# KiCad board keyboard.kicad_pcb
title: Entropy; date: 2020-12-25; rev: 0.2; company: Josh Johnson
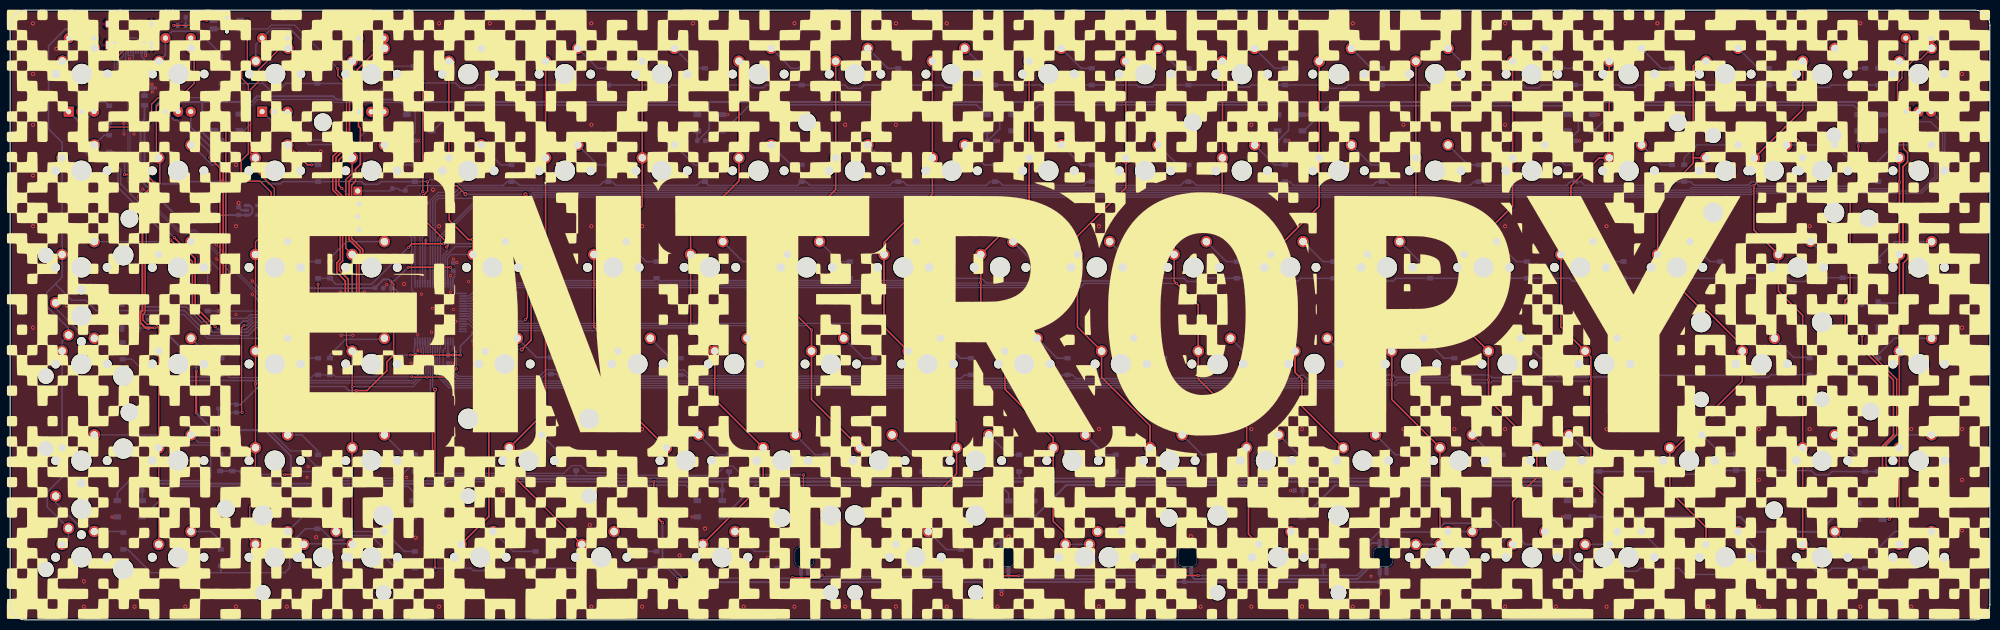
[diagram p0: board, top side]
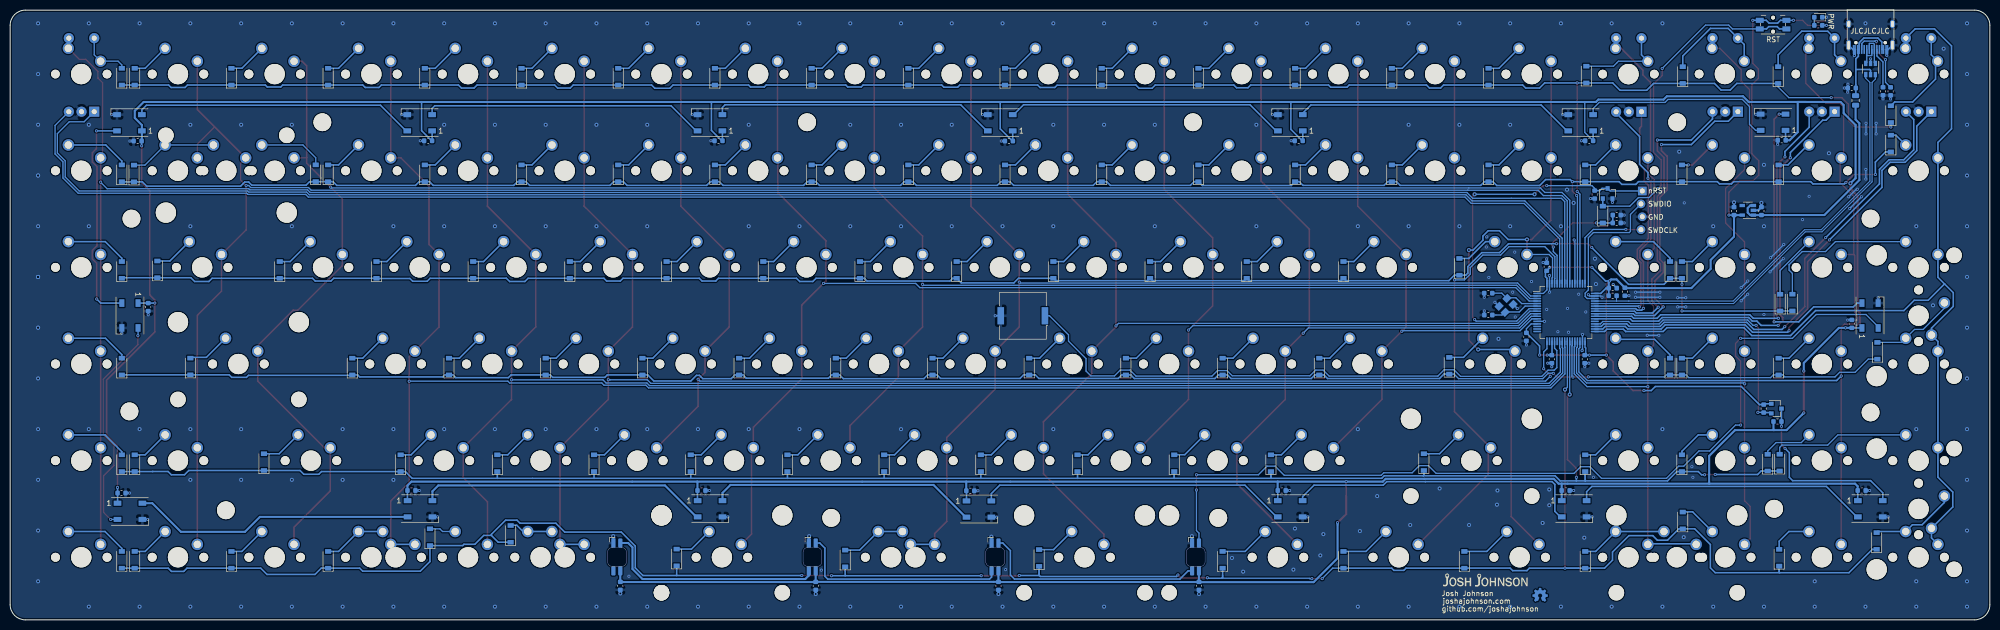
[diagram p1: board, bottom side, seen from below]

Outline 390 x 120.2 mm; copper layers: Top, Bottom. Coordinates in mm from the lower left corner of the outline.
Outline path: 0,117.2 arc(0.88,119.32) 3,120.2 387,120.2 arc(389.12,119.32) 390,117.2 390,3 arc(389.12,0.88) 387,0 3,0 arc(0.88,0.88) 0,3 0,117.2

## Placement (name value [footprint] x y rotation side)
BZ1  Buzzer  [Buzzer_Murata_PKMCS0909E4000-R1]  190.5 59.95 0 bottom
C1  1u  [C_0603_1608Metric]  45 80.59 270 bottom
C2  1u  [C_0603_1608Metric]  50.4 80.59 270 bottom
C3  10u  [C_0603_1608Metric]  73.5 79.8 180 bottom
C4  15P  [C_0603_1608Metric]  98.81 64.4 0 bottom
C5  15P  [C_0603_1608Metric]  98.8 60.1 0 bottom
C6  4u7  [C_0603_1608Metric]  71.9 64.69 270 bottom
C7  100n  [C_0603_1608Metric]  91.3 55.8 90 bottom
C14  100n  [C_0603_1608Metric]  87.3 69.6 270 bottom
C15  100n  [C_0603_1608Metric]  74.29 65.4 0 bottom
C16  100n  [C_0603_1608Metric]  79.8 51.4 90 bottom
C17  100n  [C_0603_1608Metric]  86.3 51.4 90 bottom
C18  100n  [C_0603_1608Metric]  25.25 25.5 0 bottom
C19  100n  [C_0603_1608Metric]  195.3 6.7 90 bottom
C20  100n  [C_0603_1608Metric]  155.8 6.7 90 bottom
C21  100n  [C_0603_1608Metric]  231.3 6.7 90 bottom
C22  100n  [C_0603_1608Metric]  250.45 94.45 180 bottom
C23  100n  [C_0603_1608Metric]  269.8 6.7 90 bottom
C24  100n  [C_0603_1608Metric]  364.89 94.4 180 bottom
C25  100n  [C_0603_1608Metric]  253.81 25.5 0 bottom
C26  4u7  [C_0603_1608Metric]  77.85 83.84 270 bottom
C27  100n  [C_0603_1608Metric]  136.15 94.45 180 bottom
C28  100n  [C_0603_1608Metric]  139.5 25.5 0 bottom
C29  100n  [C_0603_1608Metric]  200.85 25.45 0 bottom
C30  100n  [C_0603_1608Metric]  307.66 94.45 180 bottom
C32  100n  [C_0603_1608Metric]  83.56 25.5 0 bottom
C33  100n  [C_0603_1608Metric]  27.2 58.35 270 bottom
C34  100n  [C_0603_1608Metric]  310.95 25.5 0 bottom
C35  100n  [C_0603_1608Metric]  41 94.55 180 bottom
C36  100n  [C_0603_1608Metric]  368.05 25 0 bottom
C37  100n  [C_0603_1608Metric]  78.94 94.45 180 bottom
C38  100n  [C_0603_1608Metric]  362.8 61.66 90 bottom
C39  100n  [C_0603_1608Metric]  193.25 94.4 180 bottom
C40  10u  [C_0603_1608Metric]  27.19 104.85 180 bottom
D1  WS2812B  [LED_WS2812B_PLCC4_5.0x5.0mm_P3.2mm]  23.55 21.9 180 bottom
D2  WS2812B  [LED_WS2812B_PLCC4_5.0x5.0mm_P3.2mm]  252.13 98 0 bottom
D3  WS2812B  [LED_WS2812B_PLCC4_5.0x5.0mm_P3.2mm]  81.89 21.9 180 bottom
D4  WS2812B  [LED_WS2812B_PLCC4_5.0x5.0mm_P3.2mm]  194.95 98 0 bottom
D5  WS2812B  [LED_WS2812B_PLCC4_5.0x5.0mm_P3.2mm]  137.83 21.9 180 bottom
D6  WS2812B  [LED_WS2812B_PLCC4_5.0x5.0mm_P3.2mm]  137.8 98 0 bottom
D7  WS2812B  [LED_WS2812B_PLCC4_5.0x5.0mm_P3.2mm]  199.15 21.85 180 bottom
D8  WS2812B  [LED_WS2812B_PLCC4_5.0x5.0mm_P3.2mm]  80.6 98 0 bottom
D9  WS2812B  [LED_WS2812B_PLCC4_5.0x5.0mm_P3.2mm]  252.12 21.9 180 bottom
D10  WS2812B  [LED_WS2812B_PLCC4_5.0x5.0mm_P3.2mm]  42.7 98.1 0 bottom
D11  WS2812B  [LED_WS2812B_PLCC4_5.0x5.0mm_P3.2mm]  309.26 21.9 180 bottom
D12  WS2812B  [LED_WS2812B_PLCC4_5.0x5.0mm_P3.2mm]  23.6 60 90 bottom
D13  WS2812B  [LED_WS2812B_PLCC4_5.0x5.0mm_P3.2mm]  366.4 21.4 180 bottom
D14  LED_RED  [LED_0603_1608Metric]  33.8 118.8 0 bottom
D15  WS2812B  [LED_WS2812B_PLCC4_5.0x5.0mm_P3.2mm]  366.4 60 270 bottom
D17  WS2812B  [LED_WS2812B_PLCC4_5.0x5.0mm_P3.2mm]  366.5 98 0 bottom
D20  WS2812B  [LED_WS2812B_PLCC4_5.0x5.0mm_P3.2mm]  309.32 98 0 bottom
D21  SK6812-MINI-E  [SK8612-MINI-E]  156.5 12.35 90 top
D22  SK6812-MINI-E  [SK8612-MINI-E]  196 12.35 90 top
D23  SK6812-MINI-E  [SK8612-MINI-E]  232 12.35 90 top
D24  1N4148  [D_SOD-123]  76.25 79.9 90 bottom
D25  SK6812-MINI-E  [SK8612-MINI-E]  270.5 12.35 90 top
D_0  1N4148  [D_SOD-123]  19.5 99.7 90 bottom
D_1  1N4148  [D_SOD-123]  41.7 107.4 90 bottom
D_2  1N4148  [D_SOD-123]  60.5 107.4 90 bottom
D_3  1N4148  [D_SOD-123]  79.5 107.5 90 bottom
D_4  1N4148  [D_SOD-123]  98.76 107.09 90 bottom
D_5  1N4148  [D_SOD-123]  117.81 107.09 90 bottom
D_6  1N4148  [D_SOD-123]  136.86 107.09 90 bottom
D_7  1N4148  [D_SOD-123]  155.91 107.09 90 bottom
D_8  1N4148  [D_SOD-123]  174.96 107.09 90 bottom
D_9  1N4148  [D_SOD-123]  194.01 107.09 90 bottom
D_10  1N4148  [D_SOD-123]  213.06 107.09 90 bottom
D_11  1N4148  [D_SOD-123]  232.11 107.09 90 bottom
D_12  1N4148  [D_SOD-123]  251.16 107.09 90 bottom
D_13  1N4148  [D_SOD-123]  270.21 107.09 90 bottom
D_14  1N4148  [D_SOD-123]  289.26 107.09 90 bottom
D_15  1N4148  [D_SOD-123]  308.31 107.09 90 bottom
D_16  1N4148  [D_SOD-123]  327.36 107.09 90 bottom
D_17  1N4148  [D_SOD-123]  346.41 107.09 90 bottom
D_18  1N4148  [D_SOD-123]  365.46 107.09 90 bottom
D_19  1N4148  [D_SOD-123]  368 107.09 90 bottom
D_20  1N4148  [D_SOD-123]  19.5 93.9 90 bottom
D_21  1N4148  [D_SOD-123]  41.61 88.04 90 bottom
D_22  1N4148  [D_SOD-123]  60.66 88.04 90 bottom
D_23  1N4148  [D_SOD-123]  79.71 88.04 90 bottom
D_24  1N4148  [D_SOD-123]  98.76 88.04 90 bottom
D_25  1N4148  [D_SOD-123]  117.81 88.04 90 bottom
D_26  1N4148  [D_SOD-123]  136.86 88.04 90 bottom
D_27  1N4148  [D_SOD-123]  155.91 88.04 90 bottom
D_28  1N4148  [D_SOD-123]  174.96 88.04 90 bottom
D_29  1N4148  [D_SOD-123]  194.01 88.04 90 bottom
D_30  1N4148  [D_SOD-123]  213.06 88.04 90 bottom
D_31  1N4148  [D_SOD-123]  232.11 88.04 90 bottom
D_32  1N4148  [D_SOD-123]  251.16 88.04 90 bottom
D_33  1N4148  [D_SOD-123]  270.21 88.04 90 bottom
D_34  1N4148  [D_SOD-123]  289.26 88.04 90 bottom
D_35  1N4148  [D_SOD-123]  308.31 88.04 90 bottom
D_36  1N4148  [D_SOD-123]  327.36 88.04 90 bottom
D_37  1N4148  [D_SOD-123]  365.6 88 90 bottom
D_38  1N4148  [D_SOD-123]  368 88.04 90 bottom
D_39  1N4148  [D_SOD-123]  38.9 62.55 90 bottom
D_40  1N4148  [D_SOD-123]  22.15 53.05 90 bottom
D_41  1N4148  [D_SOD-123]  41.31 62.54 90 bottom
D_42  1N4148  [D_SOD-123]  60.66 68.99 90 bottom
D_43  1N4148  [D_SOD-123]  63 68.99 90 bottom
D_44  1N4148  [D_SOD-123]  104.5 69.6 90 bottom
D_45  1N4148  [D_SOD-123]  127.34 68.99 90 bottom
D_46  1N4148  [D_SOD-123]  146.39 68.99 90 bottom
D_47  1N4148  [D_SOD-123]  165.44 68.99 90 bottom
D_48  1N4148  [D_SOD-123]  184.49 68.99 90 bottom
D_49  1N4148  [D_SOD-123]  203.54 68.99 90 bottom
D_50  1N4148  [D_SOD-123]  222.59 68.99 90 bottom
D_51  1N4148  [D_SOD-123]  241.64 68.99 90 bottom
D_52  1N4148  [D_SOD-123]  260.69 68.99 90 bottom
D_53  1N4148  [D_SOD-123]  279.74 68.99 90 bottom
D_54  1N4148  [D_SOD-123]  298.79 68.99 90 bottom
D_55  1N4148  [D_SOD-123]  317.84 68.99 90 bottom
D_56  1N4148  [D_SOD-123]  336.89 68.99 90 bottom
D_57  1N4148  [D_SOD-123]  361 69.1 90 bottom
D_58  1N4148  [D_SOD-123]  368 68.99 90 bottom
D_59  1N4148  [D_SOD-123]  329.8 88.05 90 bottom
D_60  1N4148  [D_SOD-123]  41.61 49.94 90 bottom
D_61  1N4148  [D_SOD-123]  60.66 49.94 90 bottom
D_62  1N4148  [D_SOD-123]  63 49.94 90 bottom
D_63  1N4148  [D_SOD-123]  106.5 50.1 90 bottom
D_64  1N4148  [D_SOD-123]  132.1 49.94 90 bottom
D_65  1N4148  [D_SOD-123]  151.15 49.94 90 bottom
D_66  1N4148  [D_SOD-123]  170.2 49.94 90 bottom
D_67  1N4148  [D_SOD-123]  189.25 49.94 90 bottom
D_68  1N4148  [D_SOD-123]  208.3 49.94 90 bottom
D_69  1N4148  [D_SOD-123]  227.35 49.94 90 bottom
D_70  1N4148  [D_SOD-123]  246.4 49.94 90 bottom
D_71  1N4148  [D_SOD-123]  265.45 49.94 90 bottom
D_72  1N4148  [D_SOD-123]  284.5 49.94 90 bottom
D_73  1N4148  [D_SOD-123]  303.55 49.94 90 bottom
D_74  1N4148  [D_SOD-123]  322.6 49.94 90 bottom
D_75  1N4148  [D_SOD-123]  354.5 49.95 90 bottom
D_76  1N4148  [D_SOD-123]  368 49.94 90 bottom
D_77  1N4148  [D_SOD-123]  41.4 31 90 bottom
D_78  1N4148  [D_SOD-123]  22.3 15.55 90 bottom
D_79  1N4148  [D_SOD-123]  43.76 30.99 90 bottom
D_80  1N4148  [D_SOD-123]  60.66 30.89 90 bottom
D_81  1N4148  [D_SOD-123]  79.71 30.89 90 bottom
D_82  1N4148  [D_SOD-123]  111.5 31.1 90 bottom
D_83  1N4148  [D_SOD-123]  141.62 30.89 90 bottom
D_84  1N4148  [D_SOD-123]  160.68 30.89 90 bottom
D_85  1N4148  [D_SOD-123]  179.73 30.89 90 bottom
D_86  1N4148  [D_SOD-123]  198.77 30.89 90 bottom
D_87  1N4148  [D_SOD-123]  217.82 30.89 90 bottom
D_88  1N4148  [D_SOD-123]  236.88 30.89 90 bottom
D_89  1N4148  [D_SOD-123]  255.93 30.89 90 bottom
D_90  1N4148  [D_SOD-123]  274.98 30.89 90 bottom
D_91  1N4148  [D_SOD-123]  294.02 30.89 90 bottom
D_92  1N4148  [D_SOD-123]  313.07 30.89 90 bottom
D_93  1N4148  [D_SOD-123]  340 31.1 90 bottom
D_94  1N4148  [D_SOD-123]  365.46 30.89 90 bottom
D_95  1N4148  [D_SOD-123]  368 30.89 90 bottom
D_97  1N4148  [D_SOD-123]  41.5 12.25 90 bottom
D_98  1N4148  [D_SOD-123]  79.71 11.84 90 bottom
D_99  1N4148  [D_SOD-123]  103.53 11.84 90 bottom
D_100  1N4148  [D_SOD-123]  127.34 11.84 90 bottom
D_101  1N4148  [D_SOD-123]  151.15 11.84 90 bottom
D_102  1N4148  [D_SOD-123]  225.5 12.1 90 bottom
D_103  1N4148  [D_SOD-123]  291.4 16.95 90 bottom
D_104  1N4148  [D_SOD-123]  327.36 11.84 90 bottom
D_105  1N4148  [D_SOD-123]  346.41 11.84 90 bottom
D_106  1N4148  [D_SOD-123]  365.46 11.84 90 bottom
D_107  1N4148  [D_SOD-123]  368 11.84 90 bottom
D_108  1N4148  [D_SOD-123]  60.5 19.6 90 bottom
D_110  1N4148  [D_SOD-123]  187.3 12.2 90 bottom
D_112  1N4148  [D_SOD-123]  258.7 12.3 90 bottom
D_114  1N4148  [D_SOD-123]  307.3 16.3 90 bottom
F1  500mA  [Fuse_0805_2012Metric]  26.45 102.4 90 bottom
H1  3.5mm ID  [MountingHole_3.5mm]  23.5 40.9 90 top
H2  3.5mm ID  [MountingHole_3.5mm]  23.5 79.1 90 top
H3  3.5mm ID  [MountingHole_3.5mm]  366.5 41.1 90 top
H4  3.5mm ID  [MountingHole_3.5mm]  366.1 79.1 90 top
H5  3.5mm ID  [MountingHole_3.5mm]  228.25 20.1 0 top
H6  3.5mm ID  [MountingHole_3.5mm]  157 98.1 0 top
H7  3.5mm ID  [MountingHole_3.5mm]  152 20.1 0 top
H8  3.5mm ID  [MountingHole_3.5mm]  347.5 21.6 0 top
H9  3.5mm ID  [MountingHole_3.5mm]  61.6 98.1 0 top
H10  3.5mm ID  [MountingHole_3.5mm]  42.5 21.9 0 top
H11  3.5mm ID  [MountingHole_3.5mm]  328.5 98.1 0 top
H12  3.5mm ID  [MountingHole_3.5mm]  233 98.1 0 top
J1  USB_C_Receptacle_USB2.0  [USB_C_U262-161N-4BVC11]  23.5 115.6 0 bottom
J2  SWD  [STM_4_PIN_THT_Staggered]  68.6 84.55 180 bottom
K_0  Encoder_MX  [MX_KEYSWITCH_ENCODER]  14.04 107.59 0 top
K_1  Encoder_MX  [MX_KEYSWITCH_ENCODER]  33.09 107.59 0 top
K_2  Encoder_MX  [MX_KEYSWITCH_ENCODER]  52.14 107.59 0 top
K_3  Encoder_MX  [MX_KEYSWITCH_ENCODER]  71.13 107.57 0 top
K_4  KEYSW  [MXOnly-1U-NoLED]  90.24 107.59 0 top
K_5  KEYSW  [MXOnly-1U-NoLED]  109.29 107.59 0 top
K_6  KEYSW  [MXOnly-1U-NoLED]  128.34 107.59 0 top
K_7  KEYSW  [MXOnly-1U-NoLED]  147.39 107.59 0 top
K_8  KEYSW  [MXOnly-1U-NoLED]  166.44 107.59 0 top
K_9  KEYSW  [MXOnly-1U-NoLED]  185.49 107.59 0 top
K_10  KEYSW  [MXOnly-1U-NoLED]  204.54 107.59 0 top
K_11  KEYSW  [MXOnly-1U-NoLED]  223.59 107.59 0 top
K_12  KEYSW  [MXOnly-1U-NoLED]  242.64 107.59 0 top
K_13  KEYSW  [MXOnly-1U-NoLED]  261.69 107.59 0 top
K_14  KEYSW  [MXOnly-1U-NoLED]  280.74 107.59 0 top
K_15  KEYSW  [MXOnly-1U-NoLED]  299.79 107.59 0 top
K_16  KEYSW  [MXOnly-1U-NoLED]  318.84 107.59 0 top
K_17  KEYSW  [MXOnly-1U-NoLED]  337.89 107.59 0 top
K_18  KEYSW  [MXOnly-1U-NoLED]  356.94 107.59 0 top
K_19  Encoder_MX  [MX_KEYSWITCH_ENCODER]  375.94 107.58 0 top
K_20  KEYSW  [MXOnly-1U-NoLED]  14.04 88.54 0 top
K_21  KEYSW  [MXOnly-1U-NoLED]  33.09 88.54 0 top
K_22  KEYSW  [MXOnly-1U-NoLED]  52.14 88.54 0 top
K_23  KEYSW  [MXOnly-1U-NoLED]  71.19 88.54 0 top
K_24  KEYSW  [MXOnly-1U-NoLED]  90.24 88.54 0 top
K_25  KEYSW  [MXOnly-1U-NoLED]  109.29 88.54 0 top
K_26  KEYSW  [MXOnly-1U-NoLED]  128.34 88.54 0 top
K_27  KEYSW  [MXOnly-1U-NoLED]  147.39 88.54 0 top
K_28  KEYSW  [MXOnly-1U-NoLED]  166.44 88.54 0 top
K_29  KEYSW  [MXOnly-1U-NoLED]  185.49 88.54 0 top
K_30  KEYSW  [MXOnly-1U-NoLED]  204.54 88.54 0 top
K_31  KEYSW  [MXOnly-1U-NoLED]  223.59 88.54 0 top
K_32  KEYSW  [MXOnly-1U-NoLED]  242.64 88.54 0 top
K_33  KEYSW  [MXOnly-1U-NoLED]  261.69 88.54 0 top
K_34  KEYSW  [MXOnly-1U-NoLED]  280.74 88.54 0 top
K_35  KEYSW  [MXOnly-1U-NoLED]  299.79 88.54 0 top
K_36  KEYSW  [MXOnly-1U-NoLED]  318.84 88.54 0 top
K_37  KEYSW  [MXOnly-2U-NoLED]  347.41 88.54 0 top
K_38  KEYSW  [MXOnly-1U-NoLED]  375.99 88.54 0 top
K_39  KEYSW  [MXOnly-1U-NoLED]  14.04 69.49 0 top
K_40  KEYSW  [MXOnly-2U-NoLED]  14.04 59.96 90 top
K_41  KEYSW  [MXOnly-1U-NoLED]  33.09 69.49 0 top
K_42  KEYSW  [MXOnly-1U-NoLED]  52.14 69.49 0 top
K_43  KEYSW  [MXOnly-1U-NoLED]  71.19 69.49 0 top
K_44  KEYSW  [MXOnly-1.5U-NoLED]  95 69.49 0 top
K_45  KEYSW  [MXOnly-1U-NoLED]  118.81 69.49 0 top
K_46  KEYSW  [MXOnly-1U-NoLED]  137.86 69.49 0 top
K_47  KEYSW  [MXOnly-1U-NoLED]  156.91 69.49 0 top
K_48  KEYSW  [MXOnly-1U-NoLED]  175.96 69.49 0 top
K_49  KEYSW  [MXOnly-1U-NoLED]  195.01 69.49 0 top
K_50  KEYSW  [MXOnly-1U-NoLED]  214.06 69.49 0 top
K_51  KEYSW  [MXOnly-1U-NoLED]  233.11 69.49 0 top
K_52  KEYSW  [MXOnly-1U-NoLED]  252.16 69.49 0 top
K_53  KEYSW  [MXOnly-1U-NoLED]  271.21 69.49 0 top
K_54  KEYSW  [MXOnly-1U-NoLED]  290.26 69.49 0 top
K_55  KEYSW  [MXOnly-1U-NoLED]  309.31 69.49 0 top
K_56  KEYSW  [MXOnly-1U-NoLED]  328.36 69.49 0 top
K_57  KEYSW  [MXOnly-1.5U-NoLED]  352.18 69.49 0 top
K_58  KEYSW  [MXOnly-1U-NoLED]  375.99 69.49 0 top
K_59  KEYSW  [MXOnly-1U-NoLED]  14.04 50.44 0 top
K_60  KEYSW  [MXOnly-1U-NoLED]  33.09 50.44 0 top
K_61  KEYSW  [MXOnly-1U-NoLED]  52.14 50.44 0 top
K_62  KEYSW  [MXOnly-1U-NoLED]  71.19 50.44 0 top
K_63  KEYSW  [MXOnly-1.75U-NoLED]  97.38 50.44 0 top
K_64  KEYSW  [MXOnly-1U-NoLED]  123.57 50.44 0 top
K_65  KEYSW  [MXOnly-1U-NoLED]  142.62 50.44 0 top
K_66  KEYSW  [MXOnly-1U-NoLED]  161.68 50.44 0 top
K_67  KEYSW  [MXOnly-1U-NoLED]  180.73 50.44 0 top
K_68  KEYSW  [MXOnly-1U-NoLED]  199.77 50.44 0 top
K_69  KEYSW  [MXOnly-1U-NoLED]  218.82 50.44 0 top
K_70  KEYSW  [MXOnly-1U-NoLED]  237.88 50.44 0 top
K_71  KEYSW  [MXOnly-1U-NoLED]  256.93 50.44 0 top
K_72  KEYSW  [MXOnly-1U-NoLED]  275.98 50.44 0 top
K_73  KEYSW  [MXOnly-1U-NoLED]  295.02 50.44 0 top
K_74  KEYSW  [MXOnly-1U-NoLED]  314.07 50.44 0 top
K_75  KEYSW  [MXOnly-2.25U-ReversedStabilizers-NoLED]  345.03 50.44 0 top
K_76  KEYSW  [MXOnly-1U-NoLED]  375.99 50.44 0 top
K_77  KEYSW  [MXOnly-1U-NoLED]  14.04 31.39 0 top
K_78  KEYSW  [MXOnly-2U-NoLED]  14.04 21.86 90 top
K_79  KEYSW  [MXOnly-1U-NoLED]  33.09 31.39 0 top
K_80  KEYSW  [MXOnly-1U-NoLED]  52.14 31.39 0 top
K_81  KEYSW  [MXOnly-1U-NoLED]  71.19 31.39 0 top
K_82  KEYSW  [MXOnly-2.25U-ReversedStabilizers-NoLED]  102.14 31.39 0 top
K_83  KEYSW  [MXOnly-1U-NoLED]  133.1 31.39 0 top
K_84  KEYSW  [MXOnly-1U-NoLED]  152.15 31.39 0 top
K_85  KEYSW  [MXOnly-1U-NoLED]  171.2 31.39 0 top
K_86  KEYSW  [MXOnly-1U-NoLED]  190.25 31.39 0 top
K_87  KEYSW  [MXOnly-1U-NoLED]  209.3 31.39 0 top
K_88  KEYSW  [MXOnly-1U-NoLED]  228.35 31.39 0 top
K_89  KEYSW  [MXOnly-1U-NoLED]  247.4 31.39 0 top
K_90  KEYSW  [MXOnly-1U-NoLED]  266.45 31.39 0 top
K_91  KEYSW  [MXOnly-1U-NoLED]  285.5 31.39 0 top
K_92  KEYSW  [MXOnly-1U-NoLED]  304.55 31.39 0 top
K_93  KEYSW  [MXOnly-1.75U-NoLED]  330.74 31.39 0 top
K_94  KEYSW  [MXOnly-1U-NoLED]  356.94 31.39 0 top
K_95  KEYSW  [MXOnly-1U-NoLED]  375.99 31.39 0 top
K_96  KEYSW  [MXOnly-1U-NoLED]  14.04 12.34 0 top
K_97  KEYSW  [MXOnly-1U-NoLED]  33.09 12.34 0 top
K_98  KEYSW  [MXOnly-2U-ReversedStabilizers-NoLED]  61.66 12.34 0 top
K_99  KEYSW  [MXOnly-1.25U-NoLED]  92.62 12.34 0 top
K_100  KEYSW  [MXOnly-1.25U-NoLED]  116.43 12.34 0 top
K_101  KEYSW  [MXOnly-1.25U-NoLED]  140.24 12.34 0 top
K_102  KEYSW  [MXOnly-6.25U-ReversedStabilizers-NoLED]  211.68 12.34 0 top
K_103  KEYSW  [MXOnly-1.5U-NoLED]  285.5 12.34 0 top
K_104  KEYSW  [MXOnly-1.5U-NoLED]  314.07 12.34 0 top
K_105  KEYSW  [MXOnly-1U-NoLED]  337.89 12.34 0 top
K_106  KEYSW  [MXOnly-1U-NoLED]  356.94 12.34 0 top
K_107  KEYSW  [MXOnly-1U-NoLED]  375.99 12.34 0 top
K_108  KEYSW  [MXOnly-1U-NoLED]  52.14 12.34 0 top
K_109  KEYSW  [MXOnly-1U-NoLED]  71.19 12.34 0 top
K_110  KEYSW  [MXOnly-2.75U-ReversedStabilizers-NoLED]  178.34 12.34 0 top
K_111  KEYSW  [MXOnly-1.25U-NoLED]  216.44 12.34 0 top
K_112  KEYSW  [MXOnly-2.25U-ReversedStabilizers-NoLED]  249.78 12.34 0 top
K_113  KEYSW  [MXOnly-1U-NoLED]  280.74 12.34 0 top
K_114  KEYSW  [MXOnly-1U-NoLED]  299.79 12.34 0 top
K_115  KEYSW  [MXOnly-1U-NoLED]  318.84 12.34 0 top
K_117  KEYSW  [MXOnly-1U-NoLED]  337.89 88.54 0 top
K_118  KEYSW  [MXOnly-1U-NoLED]  356.94 88.54 0 top
LOGO1  Josh-Logo  [josh-johnson-logo-17x3]  99.37 7.89 180 bottom
LOGO2  Josh-Details  [josh-details]  103.1 4.2 180 bottom
LOGO3  OSHW Logo  [OSHW_Logo_3.6x3.6_F.Mask]  88.6 4.9 180 bottom
LOGO4  BSILK  [back_silk_v0]  194.7 60.3 0 top
Q1  BSS138  [SOT-23]  42.05 41.65 180 bottom
Q3  DTC123J  [SOT-23]  75.3 84.05 90 bottom
R1  10K  [R_0603_1608Metric]  44.55 41.65 270 bottom
R2  10K  [R_0603_1608Metric]  41.84 39.1 180 bottom
R5  5K1  [R_0603_1608Metric]  21.05 104.21 90 bottom
R6  5K1  [R_0603_1608Metric]  19.55 104.2 270 bottom
R8  100K  [R_0603_1608Metric]  73.5 78.25 180 bottom
R9  1K5  [R_0603_1608Metric]  74.31 63.9 180 bottom
R11  5K1  [R_0603_1608Metric]  33.8 117.2 0 bottom
SW1  EVQPUL02K  [Panasonic_EVQPUL_EVQPUC]  42.7 117.35 180 bottom
U1  USBLC6-2SC6  [SOT-23-6]  23.5 108.6 270 bottom
U2  AP2112K-3.3  [SOT-23-5]  47.68 80.74 0 bottom
U3  STM32F303RCTx  [LQFP-64_10x10mm_P0.5mm]  83.5 60.6 180 bottom
Y1  8MHz  [Crystal_SMD_3225-4Pin_3.2x2.5mm]  95.3 62 135 bottom

## Footprints (pads in the part's own frame, mm; a bottom-side part is the same pattern mirrored in y, then rotated)
Buzzer_Murata_PKMCS0909E4000-R1
  rect 1.3x3.4 smd: 1(-4.35,0) 2(4.35,0)
C_0603_1608Metric
  rrect 0.875x0.95 smd: 1(-0.787,0) 2(0.787,0)
Crystal_SMD_3225-4Pin_3.2x2.5mm
  rect 1.4x1.2 smd: 1(-1.1,-0.85) 2(1.1,-0.85) 3(1.1,0.85) 4(-1.1,0.85)
D_SOD-123
  rect 0.9x1.2 smd: 1(-1.65,0) 2(1.65,0)
Fuse_0805_2012Metric
  rrect 0.975x1.4 smd: 1(-0.938,0) 2(0.938,0)
LED_0603_1608Metric
  rrect 0.875x0.95 smd: 1(-0.787,0) 2(0.787,0)
LED_WS2812B_PLCC4_5.0x5.0mm_P3.2mm
  rect 1.5x1 smd: 1(-2.45,1.6) 2(-2.45,-1.6) 3(2.45,-1.6) 4(2.45,1.6)
LQFP-64_10x10mm_P0.5mm
  rrect 1.55x0.3 smd: 1(-5.675,3.75) 2(-5.675,3.25) 3(-5.675,2.75) 4(-5.675,2.25) 5(-5.675,1.75) 6(-5.675,1.25) 7(-5.675,0.75) 8(-5.675,0.25) 9(-5.675,-0.25) 10(-5.675,-0.75) 11(-5.675,-1.25) 12(-5.675,-1.75) 13(-5.675,-2.25) 14(-5.675,-2.75) 15(-5.675,-3.25) 16(-5.675,-3.75) 33(5.675,-3.75) 34(5.675,-3.25) 35(5.675,-2.75) 36(5.675,-2.25) 37(5.675,-1.75) 38(5.675,-1.25) 39(5.675,-0.75) 40(5.675,-0.25) 41(5.675,0.25) 42(5.675,0.75) 43(5.675,1.25) 44(5.675,1.75) 45(5.675,2.25) 46(5.675,2.75) 47(5.675,3.25) 48(5.675,3.75)
  rrect 0.3x1.55 smd: 17(-3.75,-5.675) 18(-3.25,-5.675) 19(-2.75,-5.675) 20(-2.25,-5.675) 21(-1.75,-5.675) 22(-1.25,-5.675) 23(-0.75,-5.675) 24(-0.25,-5.675) 25(0.25,-5.675) 26(0.75,-5.675) 27(1.25,-5.675) 28(1.75,-5.675) 29(2.25,-5.675) 30(2.75,-5.675) 31(3.25,-5.675) 32(3.75,-5.675) 49(3.75,5.675) 50(3.25,5.675) 51(2.75,5.675) 52(2.25,5.675) 53(1.75,5.675) 54(1.25,5.675) 55(0.75,5.675) 56(0.25,5.675) 57(-0.25,5.675) 58(-0.75,5.675) 59(-1.25,5.675) 60(-1.75,5.675) 61(-2.25,5.675) 62(-2.75,5.675) 63(-3.25,5.675) 64(-3.75,5.675)
MountingHole_3.5mm
  round 3.5 hole 3.5 unplated: (0,0)
MX_KEYSWITCH_ENCODER
  round 1.7 hole 1.7 unplated: (-5.02,0.02) (5.14,0.02)
  round 4 hole 4 unplated: (0.06,0.02)
  rect 2x2 hole 1: A(-2.5,-7.4)
  round 2 hole 1: B(2.5,-7.4) C(0,-7.4) S1(2.5,7.1) S2(-2.5,7.1)
  round 2.2 hole 1.5: S1(2.6,5.1) S2(-3.75,2.56)
MXOnly-1.5U-NoLED
  round 1.75 hole 1.75 unplated: (-5.08,0) (5.08,0)
  round 3.988 hole 3.988 unplated: (0,0)
  round 2.25 hole 1.47: 1(-3.81,2.54) 2(2.54,5.08)
MXOnly-1.25U-NoLED
  round 1.75 hole 1.75 unplated: (-5.08,0) (5.08,0)
  round 3.988 hole 3.988 unplated: (0,0)
  round 2.25 hole 1.47: 1(-3.81,2.54) 2(2.54,5.08)
MXOnly-1.75U-NoLED
  round 1.75 hole 1.75 unplated: (-5.08,0) (5.08,0)
  round 3.988 hole 3.988 unplated: (0,0)
  round 2.25 hole 1.47: 1(-3.81,2.54) 2(2.54,5.08)
MXOnly-1U-NoLED
  round 1.75 hole 1.75 unplated: (-5.08,0) (5.08,0)
  round 3.988 hole 3.988 unplated: (0,0)
  round 2.25 hole 1.47: 1(-3.81,2.54) 2(2.54,5.08)
MXOnly-2.25U-ReversedStabilizers-NoLED
  round 3.988 hole 3.988 unplated: (-11.906,8.255) (0,0) (11.906,8.255)
  round 3.048 hole 3.048 unplated: (-11.906,-6.985) (11.906,-6.985)
  round 1.75 hole 1.75 unplated: (-5.08,0) (5.08,0)
  round 2.25 hole 1.47: 1(-3.81,2.54) 2(2.54,5.08)
MXOnly-2.75U-ReversedStabilizers-NoLED
  round 3.988 hole 3.988 unplated: (-11.906,8.255) (0,0) (11.906,8.255)
  round 3.048 hole 3.048 unplated: (-11.906,-6.985) (11.906,-6.985)
  round 1.75 hole 1.75 unplated: (-5.08,0) (5.08,0)
  round 2.25 hole 1.47: 1(-3.81,2.54) 2(2.54,5.08)
MXOnly-2U-NoLED
  round 3.048 hole 3.048 unplated: (-11.906,6.985) (11.906,6.985)
  round 3.988 hole 3.988 unplated: (-11.906,-8.255) (0,0) (11.906,-8.255)
  round 1.75 hole 1.75 unplated: (-5.08,0) (5.08,0)
  round 2.25 hole 1.47: 1(-3.81,2.54) 2(2.54,5.08)
MXOnly-2U-ReversedStabilizers-NoLED
  round 3.988 hole 3.988 unplated: (-11.906,8.255) (0,0) (11.906,8.255)
  round 3.048 hole 3.048 unplated: (-11.906,-6.985) (11.906,-6.985)
  round 1.75 hole 1.75 unplated: (-5.08,0) (5.08,0)
  round 2.25 hole 1.47: 1(-3.81,2.54) 2(2.54,5.08)
MXOnly-6.25U-ReversedStabilizers-NoLED
  round 3.988 hole 3.988 unplated: (-50,8.255) (0,0) (50,8.255)
  round 3.048 hole 3.048 unplated: (-50,-6.985) (50,-6.985)
  round 1.75 hole 1.75 unplated: (-5.08,0) (5.08,0)
  round 2.25 hole 1.47: 1(-3.81,2.54) 2(2.54,5.08)
Panasonic_EVQPUL_EVQPUC
  round 0.75 hole 0.75 unplated: (0,-1.375) (0,1.375)
  rect 1.55x1 smd: 1(-2.625,0.85) 1(2.625,0.85) 2(-2.625,-0.85) 2(2.625,-0.85)
R_0603_1608Metric
  rrect 0.875x0.95 smd: 1(-0.787,0) 2(0.787,0)
SK8612-MINI-E
  rrect 1.8x0.82 smd far side: 1(-2.7,0.7) 2(-2.7,-0.66) 4(2.8,0.7)
  rect 1.8x0.82 smd far side: 3(2.8,-0.66)
SOT-23
  rect 0.9x0.8 smd: 1(-1,0.95) 2(-1,-0.95) 3(1,0)
SOT-23-5
  rect 1.06x0.65 smd: 1(-1.1,0.95) 2(-1.1,0) 3(-1.1,-0.95) 4(1.1,-0.95) 5(1.1,0.95)
SOT-23-6
  rect 1.06x0.65 smd: 1(-1.1,0.95) 2(-1.1,0) 3(-1.1,-0.95) 4(1.1,-0.95) 5(1.1,0) 6(1.1,0.95)
STM_4_PIN_THT_Staggered
  rect 1.7x1.7 hole 1: 1(0.127,0)
  oval 1.7x1.7 hole 1: 2(-0.127,-2.54) 3(0.127,-5.08) 4(-0.127,-7.62)
USB_C_U262-161N-4BVC11
  round 0.65 hole 0.65 unplated: (-2.89,1.81) (2.89,1.81)
  rect 0.3x1.75 smd: A1(-3.35,3.15) A4(-2.55,3.15) A5(-1.25,3.15) A6(-0.25,3.15) A7(0.25,3.15) A8(1.25,3.15) A9(2.55,3.15) A12(3.35,3.15) B1(3.05,3.15) B4(2.25,3.15) B5(1.75,3.15) B6(0.75,3.15) B7(-0.75,3.15) B8(-1.75,3.15) B9(-2.25,3.15) B12(-3.05,3.15)
  oval 1x1.6 hole 0.6x1.2: S1(-4.32,-1.87) S1(4.32,-1.87)
  oval 0.9x2.1 hole 0.5x1.7: S1(-4.32,2.31) S1(4.32,2.31)
